# Altium PCB node-test-array__B4.PcbDoc (part 2 of 3) (continued)
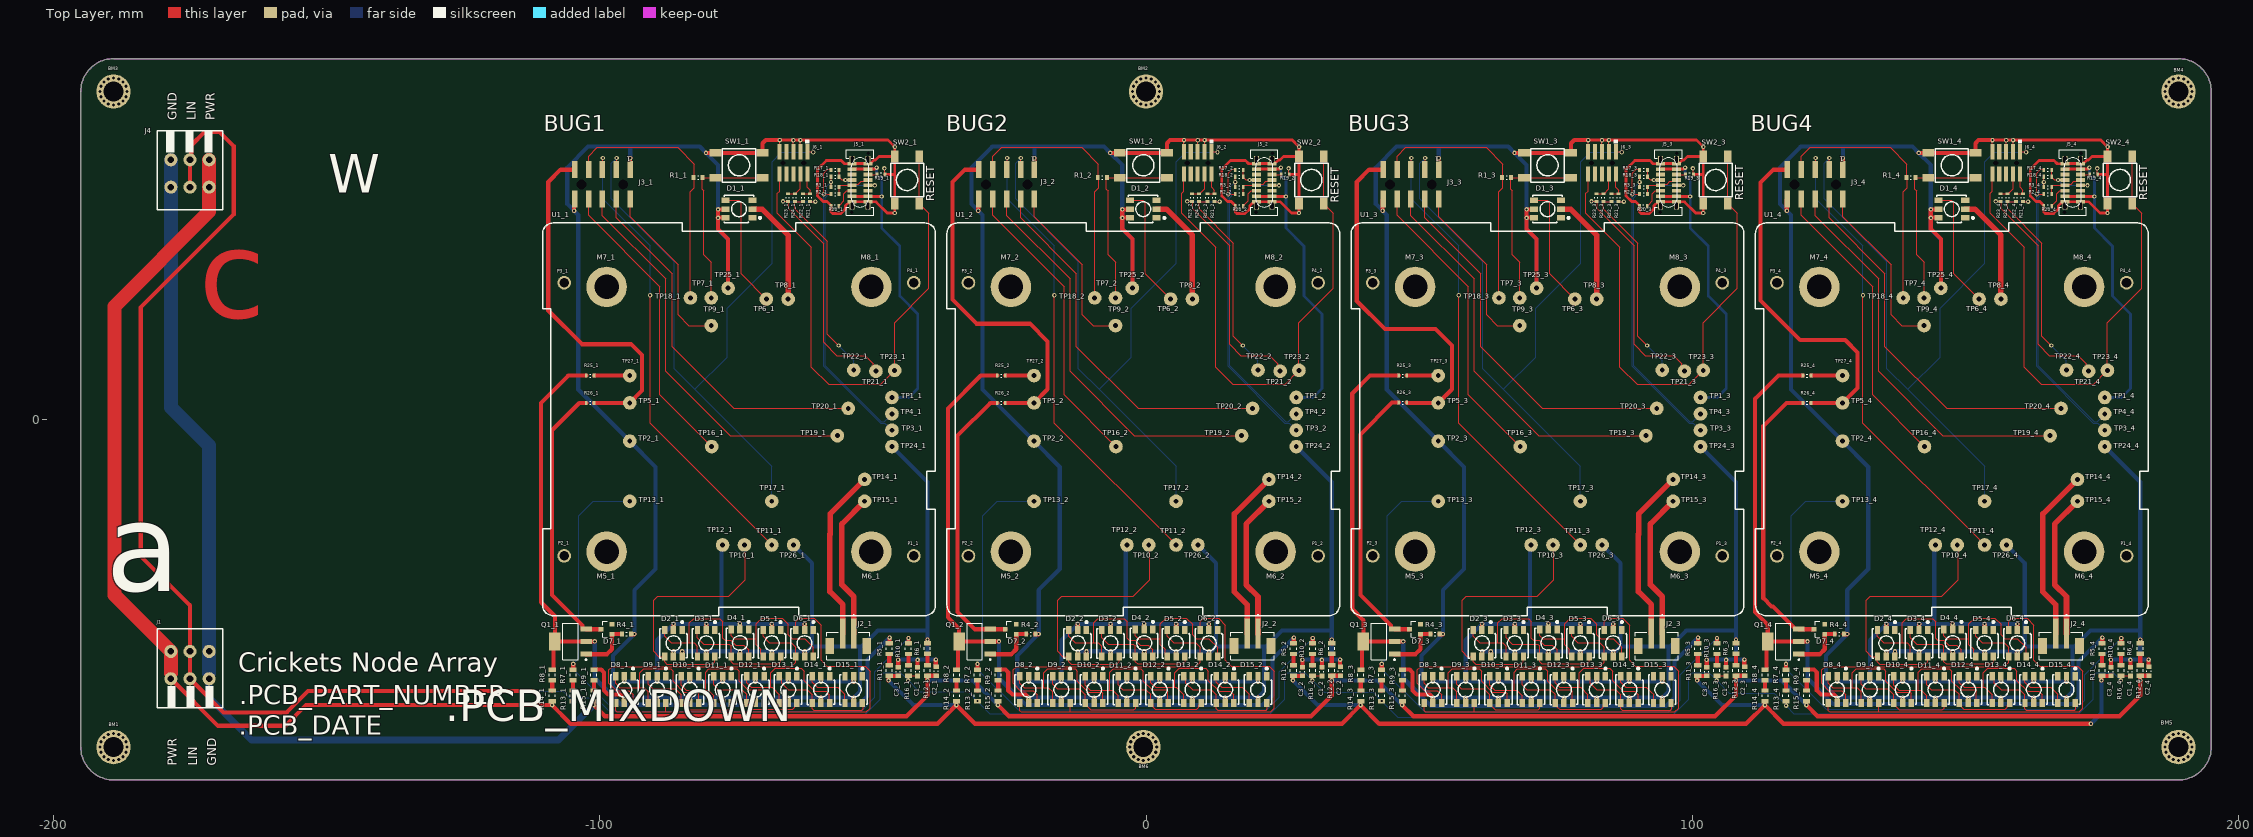
[diagram p0: Top Layer view]
## Nets (pads, with @x,y where several pads share a name; then routed paths per layer and width w, separated by ;. In a path a pad name is that pad's centre, name@x,y a point inside that pad or via, vN(x,y) a via of type N, cw(c..) or ccw(c..) an arc to the next point about the centre after c; other vN are vias at no path point) (continued)
  Bottom Layer w0.762: v1@-95.504,-50.934 -97.555,-48.883 -97.555,-43.221 v1(-93.641,-39.307) -93.641,-31.282 -89.791,-27.432 -89.791,-8.709 TP2_1.1@-94.5,-4 -103.926,5.426 -103.926,37.401 -105.932,39.408 -105.932,46.114 -102.135,49.911 -94.312,49.911 ; v1(-95.497,-50.927) v1(-89.528,-50.927) v1@-83.497,-50.927 ; v1(-94.414,47.803) -94.414,49.809 -94.312,49.911 ; v1(-86.463,-42.494) -86.454,-42.484 -84.918,-42.484 -84.902,-42.469 v1@-74.361,-42.469 ; v1(-83.483,-50.927) v1(-77.489,-50.927) v1(-71.469,-50.927) v1(-65.5,-50.927) v1(-59.506,-50.927) v1(-53.486,-50.927) ; TP25_1.1@-76.5,24 -76.5,32.924 -78.335,34.759 v1(-78.335,36.881) v1(-78.335,38.43) -78.335,46.558 v1(-80.545,48.768) -81.688,49.911 -94.312,49.911 ; v1(-74.322,-42.494) v1@-68.504,-42.494 ; v1(-68.48,-42.494) v1(-62.46,-42.494) -62.451,-42.484 -62.022,-42.484 -61.157,-41.618 ; TP26_1.1@-64.5,-23 -61.157,-26.343 -61.157,-41.618 ; v1@-53.476,-50.917 -52.371,-49.813 -52.371,-41.618 ; TP24_1.1@-46.5,-5 -40,-11.5 -40,-38.647 ; v1@-45.361,-43.942 v1@-41.805,-43.942 ; v1@-41.788,-43.959 -41.782,-43.952 -41.766,-43.967 -40,-43.967 ; v1@-38.452,-43.967 -40,-43.967 ; -61.157,-41.618 -52.063,-41.618 -49.092,-38.647 -40,-38.647 ; -40,-43.967 -40,-38.647
  other v1: -84.889,-42.494 -80.469,-42.494 -64.533,51.081
GND_2: C1_2.1 C2_2.1 C3_2.1 D1_2.5 D1_2.6 D2_2.5 D2_2.6 D3_2.5 D4_2.5 D5_2.5 D6_2.5 D8_2.5 D9_2.5 D10_2.5 D11_2.5 D12_2.5 D13_2.5 D14_2.5 D15_2.5 J3_2.1 J3_2.10 J5_2.A1 J5_2.A12 J5_2.B1 J5_2.B12 J6_2.3 J6_2.5 J6_2.9 R4_2.2 R6_2.2 R9_2.2 R19_2.1 R20_2.1 SW1_2.A SW2_2.A TP2_2.1 TP24_2.1 TP25_2.1 TP26_2.1 | length 480.8
  Top Layer w0.152: J6_2.9@6.92,48.962 6.92,50.969 v1@6.971,51.019 ; J6_2.5@9.46,48.962 9.46,50.969 v1@9.485,50.994 ; J6_2.3@10.73,48.962 v1@10.73,50.994 ; v1(26.122,45.939) 26.15,45.912 R19_2.1@26.15,45.025 ; v1(28.002,37.761) 28.015,37.774 28.015,37.9 v1@28.002,37.913
  Top Layer w0.508: v1(6.952,51.107) v1(10.737,51.107) 26.772,51.107 v1(28.027,49.851) 28.015,49.838 28.015,48.137 SW2_2.A@28.002,48.124 ; J5_2.B1@23.074,47.531 J5_2.B1@23.074,46.806 ; R19_2.1@26.212,44.822 28.002,44.822 ; v1(28.002,37.761) 26.63,37.761 24.585,39.806 J5_2.B12@23.074,39.806 J5_2.A1@20.214,39.806 19.714,39.806 19.01,39.102 19.01,38.548 18.147,37.684 16.627,37.684 16.33,37.982 16.33,39.122 15.607,39.845 14.92,39.845 13.88,40.885 13.88,45.762 15.48,47.362 18.223,47.362 18.807,46.778 20.186,46.778 J5_2.A12@20.214,46.806 J5_2.B1@23.074,46.806 ; v1@28.002,37.913 SW2_2.A@28.002,39.488 28.002,44.822 ; J5_2.B1@23.074,46.806 23.574,46.806 24.232,47.463 24.497,47.463 25.157,48.124 SW2_2.A@28.002,48.124 ; 28.002,44.822 SW2_2.A@28.002,48.124
  Top Layer w0.762: v1(-30.701,38.176) -30.701,40.189 J3_2.10@-30.58,40.31 ; R9_2.2@-27.06,-45.825 -25.714,-45.825 -25.209,-46.33 -25.209,-49.632 -24.447,-50.394 -22.045,-50.394 -21.511,-50.927 v1(-21.497,-50.927) ; D8_2.5@-21.5,-51.95 -21.499,-51.949 -21.499,-50.942 v1@-21.497,-50.94 ; J3_2.1@-20.42,45.69 -20.464,45.734 -20.464,47.752 v1(-20.414,47.803) ; R4_2.2@-20.266,-39.307 -20.266,-39.32 -20.235,-39.351 -19.685,-39.351 v1(-19.641,-39.307) ; v1@-15.528,-51.016 -15.519,-51.026 -15.519,-51.931 D9_2.5@-15.5,-51.95 ; D2_2.5@-12.5,-43.45 -12.473,-43.423 -12.473,-42.504 v1(-12.463,-42.494) ; D2_2.6@-10.9,-43.45 -10.894,-43.444 -10.894,-42.474 v1@-10.889,-42.469 ; D10_2.5@-9.5,-51.95 -9.492,-51.942 -9.492,-51.025 v1@-9.483,-51.016 ; v1(-6.545,48.768) -4.825,48.768 SW1_2.A@-4.818,48.761 SW1_2.A@3.818,48.761 3.818,50.534 4.391,51.107 v1(6.952,51.107) ; D3_2.5@-6.5,-43.45 -6.479,-43.429 -6.479,-42.479 v1@-6.469,-42.469 ; v1@-4.437,36.881 -4.361,36.957 v1@-4.335,36.957 ; D11_2.5@-3.5,-51.95 -3.494,-51.944 -3.494,-51.047 v1@-3.489,-51.042 ; D1_2.6@-2.95,36.875 -3.032,36.957 v1@-4.335,36.957 ; D1_2.5@-2.95,38.475 -2.995,38.43 v1(-4.335,38.43) v1@-4.335,36.957 ; TP25_2.1@-2.5,24 -2.5,32.988 -4.335,34.823 v1(-4.335,36.881) v1@-4.335,36.957 ; D4_2.5@-0.335,-43.4 -0.329,-43.394 -0.329,-42.45 v1@-0.322,-42.443 ; D12_2.5@2.5,-51.95 2.521,-51.929 2.521,-51.026 v1@2.531,-51.016 ; D5_2.5@5.5,-43.45 5.51,-43.44 5.51,-42.555 v1@5.52,-42.545 ; D13_2.5@8.5,-51.95 v1@8.5,-50.991 ; D6_2.5@11.5,-43.45 11.53,-43.42 11.53,-42.428 v1@11.54,-42.418 ; v1@14.494,-50.915 14.497,-50.918 14.497,-51.947 D14_2.5@14.5,-51.95 ; D15_2.5@20.5,-51.95 20.507,-51.943 20.507,-50.973 v1@20.514,-50.966 ; C3_2.1@28.639,-45.377 v1(28.639,-44.018) ; C1_2.1@32.195,-45.403 v1(32.195,-44.044) ; R6_2.2@34,-41 v1(34,-40.325) ; v1(35.522,-43.993) 35.505,-44.011 35.505,-45.282 35.549,-45.326 C2_2.1@35.599,-45.326
  Bottom Layer w0.762: v1@-21.504,-50.934 -23.555,-48.883 -23.555,-43.221 v1(-19.641,-39.307) -19.641,-31.282 -15.791,-27.432 -15.791,-8.709 TP2_2.1@-20.5,-4 -29.926,5.426 -29.926,37.401 -31.932,39.408 -31.932,46.114 -28.135,49.911 -20.312,49.911 ; v1(-21.497,-50.927) v1(-15.528,-50.927) v1@-9.497,-50.927 ; v1(-20.414,47.803) -20.414,49.809 -20.312,49.911 ; v1(-12.463,-42.494) -12.454,-42.484 -10.918,-42.484 -10.902,-42.469 v1@-0.361,-42.469 ; v1(-9.483,-50.927) v1(-3.489,-50.927) v1(2.531,-50.927) v1(8.5,-50.927) v1(14.494,-50.927) v1(20.514,-50.927) ; TP25_2.1@-2.5,24 -2.5,32.924 -4.335,34.759 v1(-4.335,36.881) v1(-4.335,38.43) -4.335,46.558 v1(-6.545,48.768) -7.688,49.911 -20.312,49.911 ; v1(-0.322,-42.494) v1@5.496,-42.494 ; v1(5.52,-42.494) v1(11.54,-42.494) 11.549,-42.484 11.978,-42.484 12.843,-41.618 ; TP26_2.1@9.5,-23 12.843,-26.343 12.843,-41.618 ; v1@20.524,-50.917 21.629,-49.813 21.629,-41.618 ; TP24_2.1@27.5,-5 34,-11.5 34,-38.647 ; v1@28.639,-43.942 v1@32.195,-43.942 ; v1@32.212,-43.959 32.218,-43.952 32.234,-43.967 34,-43.967 ; v1@35.548,-43.967 34,-43.967 ; 12.843,-41.618 21.937,-41.618 24.908,-38.647 34,-38.647 ; 34,-43.967 34,-38.647
  other v1: -10.889,-42.494 -6.469,-42.494 9.467,51.081
GND_3: C1_3.1 C2_3.1 C3_3.1 D1_3.5 D1_3.6 D2_3.5 D2_3.6 D3_3.5 D4_3.5 D5_3.5 D6_3.5 D8_3.5 D9_3.5 D10_3.5 D11_3.5 D12_3.5 D13_3.5 D14_3.5 D15_3.5 J3_3.1 J3_3.10 J5_3.A1 J5_3.A12 J5_3.B1 J5_3.B12 J6_3.3 J6_3.5 J6_3.9 R4_3.2 R6_3.2 R9_3.2 R19_3.1 R20_3.1 SW1_3.A SW2_3.A TP2_3.1 TP24_3.1 TP25_3.1 TP26_3.1 | length 480.8
  Top Layer w0.152: J6_3.9@80.92,48.962 80.92,50.969 v1@80.971,51.019 ; J6_3.5@83.46,48.962 83.46,50.969 v1@83.485,50.994 ; J6_3.3@84.73,48.962 v1@84.73,50.994 ; v1(100.122,45.939) 100.15,45.912 R19_3.1@100.15,45.025 ; v1(102.002,37.761) 102.015,37.774 102.015,37.9 v1@102.002,37.913
  Top Layer w0.508: v1(80.952,51.107) v1(84.737,51.107) 100.772,51.107 v1(102.027,49.851) 102.015,49.838 102.015,48.137 SW2_3.A@102.002,48.124 ; J5_3.B1@97.074,47.531 J5_3.B1@97.074,46.806 ; R19_3.1@100.212,44.822 102.002,44.822 ; v1(102.002,37.761) 100.63,37.761 98.585,39.806 J5_3.B12@97.074,39.806 J5_3.A1@94.214,39.806 93.714,39.806 93.01,39.102 93.01,38.548 92.147,37.684 90.627,37.684 90.33,37.982 90.33,39.122 89.607,39.845 88.92,39.845 87.88,40.885 87.88,45.762 89.48,47.362 92.223,47.362 92.807,46.778 94.186,46.778 J5_3.A12@94.214,46.806 J5_3.B1@97.074,46.806 ; v1@102.002,37.913 SW2_3.A@102.002,39.488 102.002,44.822 ; J5_3.B1@97.074,46.806 97.574,46.806 98.232,47.463 98.497,47.463 99.157,48.124 SW2_3.A@102.002,48.124 ; 102.002,44.822 SW2_3.A@102.002,48.124
  Top Layer w0.762: v1(43.299,38.176) 43.299,40.189 J3_3.10@43.42,40.31 ; R9_3.2@46.94,-45.825 48.286,-45.825 48.791,-46.33 48.791,-49.632 49.553,-50.394 51.955,-50.394 52.489,-50.927 v1(52.503,-50.927) ; D8_3.5@52.5,-51.95 52.501,-51.949 52.501,-50.942 v1@52.503,-50.94 ; J3_3.1@53.58,45.69 53.536,45.734 53.536,47.752 v1(53.586,47.803) ; R4_3.2@53.734,-39.307 53.734,-39.32 53.765,-39.351 54.315,-39.351 v1(54.359,-39.307) ; v1@58.472,-51.016 58.481,-51.026 58.481,-51.931 D9_3.5@58.5,-51.95 ; D2_3.5@61.5,-43.45 61.527,-43.423 61.527,-42.504 v1(61.537,-42.494) ; D2_3.6@63.1,-43.45 63.106,-43.444 63.106,-42.474 v1@63.111,-42.469 ; D10_3.5@64.5,-51.95 64.508,-51.942 64.508,-51.025 v1@64.517,-51.016 ; v1(67.455,48.768) 69.175,48.768 SW1_3.A@69.182,48.761 SW1_3.A@77.818,48.761 77.818,50.534 78.391,51.107 v1(80.952,51.107) ; D3_3.5@67.5,-43.45 67.521,-43.429 67.521,-42.479 v1@67.531,-42.469 ; v1@69.563,36.881 69.639,36.957 v1@69.665,36.957 ; D11_3.5@70.5,-51.95 70.506,-51.944 70.506,-51.047 v1@70.511,-51.042 ; D1_3.6@71.05,36.875 70.968,36.957 v1@69.665,36.957 ; D1_3.5@71.05,38.475 71.005,38.43 v1(69.665,38.43) v1@69.665,36.957 ; TP25_3.1@71.5,24 71.5,32.988 69.665,34.823 v1(69.665,36.881) v1@69.665,36.957 ; D4_3.5@73.665,-43.4 73.671,-43.394 73.671,-42.45 v1@73.678,-42.443 ; D12_3.5@76.5,-51.95 76.521,-51.929 76.521,-51.026 v1@76.531,-51.016 ; D5_3.5@79.5,-43.45 79.51,-43.44 79.51,-42.555 v1@79.52,-42.545 ; D13_3.5@82.5,-51.95 v1@82.5,-50.991 ; D6_3.5@85.5,-43.45 85.53,-43.42 85.53,-42.428 v1@85.54,-42.418 ; v1@88.494,-50.915 88.497,-50.918 88.497,-51.947 D14_3.5@88.5,-51.95 ; D15_3.5@94.5,-51.95 94.507,-51.943 94.507,-50.973 v1@94.514,-50.966 ; C3_3.1@102.639,-45.377 v1(102.639,-44.018) ; C1_3.1@106.195,-45.403 v1(106.195,-44.044) ; R6_3.2@108,-41 v1(108,-40.325) ; v1(109.522,-43.993) 109.505,-44.011 109.505,-45.282 109.549,-45.326 C2_3.1@109.599,-45.326
  Bottom Layer w0.762: v1@52.496,-50.934 50.445,-48.883 50.445,-43.221 v1(54.359,-39.307) 54.359,-31.282 58.209,-27.432 58.209,-8.709 TP2_3.1@53.5,-4 44.074,5.426 44.074,37.401 42.068,39.408 42.068,46.114 45.865,49.911 53.688,49.911 ; v1(52.503,-50.927) v1(58.472,-50.927) v1@64.503,-50.927 ; v1(53.586,47.803) 53.586,49.809 53.688,49.911 ; v1(61.537,-42.494) 61.546,-42.484 63.082,-42.484 63.098,-42.469 v1@73.639,-42.469 ; v1(64.517,-50.927) v1(70.511,-50.927) v1(76.531,-50.927) v1(82.5,-50.927) v1(88.494,-50.927) v1(94.514,-50.927) ; TP25_3.1@71.5,24 71.5,32.924 69.665,34.759 v1(69.665,36.881) v1(69.665,38.43) 69.665,46.558 v1(67.455,48.768) 66.312,49.911 53.688,49.911 ; v1(73.678,-42.494) v1@79.496,-42.494 ; v1(79.52,-42.494) v1(85.54,-42.494) 85.549,-42.484 85.978,-42.484 86.843,-41.618 ; TP26_3.1@83.5,-23 86.843,-26.343 86.843,-41.618 ; v1@94.524,-50.917 95.629,-49.813 95.629,-41.618 ; TP24_3.1@101.5,-5 108,-11.5 108,-38.647 ; v1@102.639,-43.942 v1@106.195,-43.942 ; v1@106.212,-43.959 106.218,-43.952 106.234,-43.967 108,-43.967 ; v1@109.548,-43.967 108,-43.967 ; 86.843,-41.618 95.937,-41.618 98.908,-38.647 108,-38.647 ; 108,-43.967 108,-38.647
  other v1: 63.111,-42.494 67.531,-42.494 83.467,51.081
GND_4: C1_4.1 C2_4.1 C3_4.1 D1_4.5 D1_4.6 D2_4.5 D2_4.6 D3_4.5 D4_4.5 D5_4.5 D6_4.5 D8_4.5 D9_4.5 D10_4.5 D11_4.5 D12_4.5 D13_4.5 D14_4.5 D15_4.5 J3_4.1 J3_4.10 J5_4.A1 J5_4.A12 J5_4.B1 J5_4.B12 J6_4.3 J6_4.5 J6_4.9 R4_4.2 R6_4.2 R9_4.2 R19_4.1 R20_4.1 SW1_4.A SW2_4.A TP2_4.1 TP24_4.1 TP25_4.1 TP26_4.1 | length 480.8
  Top Layer w0.152: J6_4.9@154.92,48.962 154.92,50.969 v1@154.971,51.019 ; J6_4.5@157.46,48.962 157.46,50.969 v1@157.485,50.994 ; J6_4.3@158.73,48.962 v1@158.73,50.994 ; v1(174.122,45.939) 174.15,45.912 R19_4.1@174.15,45.025 ; v1(176.002,37.761) 176.015,37.774 176.015,37.9 v1@176.002,37.913
  Top Layer w0.508: v1(154.952,51.107) v1(158.737,51.107) 174.772,51.107 v1(176.027,49.851) 176.015,49.838 176.015,48.137 SW2_4.A@176.002,48.124 ; J5_4.B1@171.074,47.531 J5_4.B1@171.074,46.806 ; R19_4.1@174.212,44.822 176.002,44.822 ; v1(176.002,37.761) 174.63,37.761 172.585,39.806 J5_4.B12@171.074,39.806 J5_4.A1@168.214,39.806 167.714,39.806 167.01,39.102 167.01,38.548 166.147,37.684 164.627,37.684 164.33,37.982 164.33,39.122 163.607,39.845 162.92,39.845 161.88,40.885 161.88,45.762 163.48,47.362 166.223,47.362 166.807,46.778 168.186,46.778 J5_4.A12@168.214,46.806 J5_4.B1@171.074,46.806 ; v1@176.002,37.913 SW2_4.A@176.002,39.488 176.002,44.822 ; J5_4.B1@171.074,46.806 171.574,46.806 172.232,47.463 172.497,47.463 173.157,48.124 SW2_4.A@176.002,48.124 ; 176.002,44.822 SW2_4.A@176.002,48.124
  Top Layer w0.762: v1(117.299,38.176) 117.299,40.189 J3_4.10@117.42,40.31 ; R9_4.2@120.94,-45.825 122.286,-45.825 122.791,-46.33 122.791,-49.632 123.553,-50.394 125.955,-50.394 126.489,-50.927 v1(126.503,-50.927) ; D8_4.5@126.5,-51.95 126.501,-51.949 126.501,-50.942 v1@126.503,-50.94 ; J3_4.1@127.58,45.69 127.536,45.734 127.536,47.752 v1(127.586,47.803) ; R4_4.2@127.734,-39.307 127.734,-39.32 127.765,-39.351 128.315,-39.351 v1(128.359,-39.307) ; v1@132.472,-51.016 132.481,-51.026 132.481,-51.931 D9_4.5@132.5,-51.95 ; D2_4.5@135.5,-43.45 135.527,-43.423 135.527,-42.504 v1(135.537,-42.494) ; D2_4.6@137.1,-43.45 137.106,-43.444 137.106,-42.474 v1@137.111,-42.469 ; D10_4.5@138.5,-51.95 138.508,-51.942 138.508,-51.025 v1@138.517,-51.016 ; v1(141.455,48.768) 143.175,48.768 SW1_4.A@143.182,48.761 SW1_4.A@151.818,48.761 151.818,50.534 152.391,51.107 v1(154.952,51.107) ; D3_4.5@141.5,-43.45 141.521,-43.429 141.521,-42.479 v1@141.531,-42.469 ; v1@143.563,36.881 143.639,36.957 v1@143.665,36.957 ; D11_4.5@144.5,-51.95 144.506,-51.944 144.506,-51.047 v1@144.511,-51.042 ; D1_4.6@145.05,36.875 144.968,36.957 v1@143.665,36.957 ; D1_4.5@145.05,38.475 145.005,38.43 v1(143.665,38.43) v1@143.665,36.957 ; TP25_4.1@145.5,24 145.5,32.988 143.665,34.823 v1(143.665,36.881) v1@143.665,36.957 ; D4_4.5@147.665,-43.4 147.671,-43.394 147.671,-42.45 v1@147.678,-42.443 ; D12_4.5@150.5,-51.95 150.521,-51.929 150.521,-51.026 v1@150.531,-51.016 ; D5_4.5@153.5,-43.45 153.51,-43.44 153.51,-42.555 v1@153.52,-42.545 ; D13_4.5@156.5,-51.95 v1@156.5,-50.991 ; D6_4.5@159.5,-43.45 159.53,-43.42 159.53,-42.428 v1@159.54,-42.418 ; v1@162.494,-50.915 162.497,-50.918 162.497,-51.947 D14_4.5@162.5,-51.95 ; D15_4.5@168.5,-51.95 168.507,-51.943 168.507,-50.973 v1@168.514,-50.966 ; C3_4.1@176.639,-45.377 v1(176.639,-44.018) ; C1_4.1@180.195,-45.403 v1(180.195,-44.044) ; R6_4.2@182,-41 v1(182,-40.325) ; v1(183.522,-43.993) 183.505,-44.011 183.505,-45.282 183.549,-45.326 C2_4.1@183.599,-45.326
  Bottom Layer w0.762: v1@126.496,-50.934 124.445,-48.883 124.445,-43.221 v1(128.359,-39.307) 128.359,-31.282 132.209,-27.432 132.209,-8.709 TP2_4.1@127.5,-4 118.074,5.426 118.074,37.401 116.068,39.408 116.068,46.114 119.865,49.911 127.688,49.911 ; v1(126.503,-50.927) v1(132.472,-50.927) v1@138.503,-50.927 ; v1(127.586,47.803) 127.586,49.809 127.688,49.911 ; v1(135.537,-42.494) 135.546,-42.484 137.082,-42.484 137.098,-42.469 v1@147.639,-42.469 ; v1(138.517,-50.927) v1(144.511,-50.927) v1(150.531,-50.927) v1(156.5,-50.927) v1(162.494,-50.927) v1(168.514,-50.927) ; TP25_4.1@145.5,24 145.5,32.924 143.665,34.759 v1(143.665,36.881) v1(143.665,38.43) 143.665,46.558 v1(141.455,48.768) 140.312,49.911 127.688,49.911 ; v1(147.678,-42.494) v1@153.496,-42.494 ; v1(153.52,-42.494) v1(159.54,-42.494) 159.549,-42.484 159.978,-42.484 160.843,-41.618 ; TP26_4.1@157.5,-23 160.843,-26.343 160.843,-41.618 ; v1@168.524,-50.917 169.629,-49.813 169.629,-41.618 ; TP24_4.1@175.5,-5 182,-11.5 182,-38.647 ; v1@176.639,-43.942 v1@180.195,-43.942 ; v1@180.212,-43.959 180.218,-43.952 180.234,-43.967 182,-43.967 ; v1@183.548,-43.967 182,-43.967 ; 160.843,-41.618 169.937,-41.618 172.908,-38.647 182,-38.647 ; 182,-43.967 182,-38.647
  other v1: 137.111,-42.494 141.531,-42.494 157.467,51.081
LIN-IO_1: R7_1.2 R10_1.2 TP13_1.1 | length 113.9
  Top Layer w0.762: R7_1.2@-104.87,-45.825 -104.864,-45.825 -104.845,-45.806 v1(-104.845,-44.768) ; R10_1.2@-43.5,-41.025 -43.488,-41.013 -43.488,-40.053 v1(-43.478,-40.044)
  Bottom Layer w0.203: TP13_1.1@-94.5,-15 -101.188,-15 -103.849,-17.662 -103.849,-43.773 v1(-104.845,-44.768) -104.845,-45.723 -97.126,-53.442 -52.168,-53.442 -49.632,-50.905 -49.632,-46.197 v1(-43.478,-40.044)
LIN-IO_2: R7_2.2 R10_2.2 TP13_2.1 | length 113.6
  Top Layer w0.762: R7_2.2@-30.87,-45.825 -30.864,-45.825 -30.845,-45.806 v1(-30.845,-44.768) ; R10_2.2@30.5,-41.025 30.512,-41.013 30.512,-40.053 v1(30.522,-40.044)
  Bottom Layer w0.203: TP13_2.1@-20.5,-15 -27.188,-15 -29.849,-17.662 -29.849,-43.773 v1(-30.845,-44.768) -30.845,-45.723 -23.406,-53.162 22.111,-53.162 24.384,-50.889 24.384,-46.181 v1(30.522,-40.044)
LIN-IO_3: R7_3.2 R10_3.2 TP13_3.1 | length 114
  Top Layer w0.762: R7_3.2@43.13,-45.825 43.136,-45.825 43.155,-45.806 v1(43.155,-44.768) ; R10_3.2@104.5,-41.025 104.512,-41.013 104.512,-40.053 v1(104.522,-40.044)
  Bottom Layer w0.203: TP13_3.1@53.5,-15 46.812,-15 44.151,-17.662 44.151,-43.773 v1(43.155,-44.768) 43.155,-45.723 51.001,-53.569 95.705,-53.569 97.821,-51.453 97.821,-46.745 v1(104.522,-40.044)
LIN-IO_4: R7_4.2 R10_4.2 TP13_4.1 | length 113.5
  Top Layer w0.762: R7_4.2@117.13,-45.825 117.136,-45.825 117.155,-45.806 v1(117.155,-44.768) ; R10_4.2@178.5,-41.025 178.512,-41.013 178.512,-40.053 v1(178.522,-40.044)
  Bottom Layer w0.203: TP13_4.1@127.5,-15 120.812,-15 118.151,-17.662 118.151,-43.773 v1(117.155,-44.768) 117.155,-45.723 124.493,-53.061 170.213,-53.061 171.821,-51.453 171.821,-46.745 v1(178.522,-40.044)
NetD2_1_3: D2_1.3 D3_1.4 D4_1.6 | length 30
  Top Layer w0.152: D2_1.3@-88.1,-38.55 -88.1,-39.745 -86.938,-40.907 -83.585,-40.907 ; D3_1.4@-82.1,-43.45 -82.1,-41.503 -82.696,-40.907 -83.585,-40.907 ; D4_1.6@-72.735,-43.4 -72.735,-42.232 -73.599,-41.368 -75.067,-41.368 -75.985,-40.45 -77.057,-40.45 -77.438,-40.069 -77.438,-37.032 -77.982,-36.488 -82.823,-36.488 -83.585,-37.25 -83.585,-40.907
NetD2_2_3: D2_2.3 D3_2.4 D4_2.6 | length 30
  Top Layer w0.152: D2_2.3@-14.1,-38.55 -14.1,-39.745 -12.938,-40.907 -9.585,-40.907 ; D3_2.4@-8.1,-43.45 -8.1,-41.503 -8.696,-40.907 -9.585,-40.907 ; D4_2.6@1.265,-43.4 1.265,-42.232 0.401,-41.368 -1.067,-41.368 -1.985,-40.45 -3.057,-40.45 -3.438,-40.069 -3.438,-37.032 -3.982,-36.488 -8.823,-36.488 -9.585,-37.25 -9.585,-40.907
NetD2_3_3: D2_3.3 D3_3.4 D4_3.6 | length 30
  Top Layer w0.152: D2_3.3@59.9,-38.55 59.9,-39.745 61.062,-40.907 64.415,-40.907 ; D3_3.4@65.9,-43.45 65.9,-41.503 65.304,-40.907 64.415,-40.907 ; D4_3.6@75.265,-43.4 75.265,-42.232 74.401,-41.368 72.933,-41.368 72.015,-40.45 70.943,-40.45 70.562,-40.069 70.562,-37.032 70.018,-36.488 65.177,-36.488 64.415,-37.25 64.415,-40.907
NetD2_4_3: D2_4.3 D3_4.4 D4_4.6 | length 30
  Top Layer w0.152: D2_4.3@133.9,-38.55 133.9,-39.745 135.062,-40.907 138.415,-40.907 ; D3_4.4@139.9,-43.45 139.9,-41.503 139.304,-40.907 138.415,-40.907 ; D4_4.6@149.265,-43.4 149.265,-42.232 148.401,-41.368 146.933,-41.368 146.015,-40.45 144.943,-40.45 144.562,-40.069 144.562,-37.032 144.018,-36.488 139.177,-36.488 138.415,-37.25 138.415,-40.907
NetD3_1_3: D3_1.3 D4_1.4 D5_1.6 | length 21.5
  Top Layer w0.152: D3_1.3@-82.1,-38.55 -82.1,-39.974 -80.938,-41.136 -76.295,-41.136 -75.935,-41.496 D4_1.4@-75.935,-43.4 -75.935,-44.387 -75.554,-44.768 -67.203,-44.768 -66.821,-44.386 -66.821,-43.529 D5_1.6@-66.9,-43.45
NetD3_2_3: D3_2.3 D4_2.4 D5_2.6 | length 21.5
  Top Layer w0.152: D3_2.3@-8.1,-38.55 -8.1,-39.974 -6.938,-41.136 -2.295,-41.136 -1.935,-41.496 D4_2.4@-1.935,-43.4 -1.935,-44.387 -1.554,-44.768 6.797,-44.768 7.179,-44.386 7.179,-43.529 D5_2.6@7.1,-43.45
NetD3_3_3: D3_3.3 D4_3.4 D5_3.6 | length 21.5
  Top Layer w0.152: D3_3.3@65.9,-38.55 65.9,-39.974 67.062,-41.136 71.705,-41.136 72.065,-41.496 D4_3.4@72.065,-43.4 72.065,-44.387 72.446,-44.768 80.797,-44.768 81.179,-44.386 81.179,-43.529 D5_3.6@81.1,-43.45
NetD3_4_3: D3_4.3 D4_4.4 D5_4.6 | length 21.5
  Top Layer w0.152: D3_4.3@139.9,-38.55 139.9,-39.974 141.062,-41.136 145.705,-41.136 146.065,-41.496 D4_4.4@146.065,-43.4 146.065,-44.387 146.446,-44.768 154.797,-44.768 155.179,-44.386 155.179,-43.529 D5_4.6@155.1,-43.45
NetD4_1_3: D4_1.3 D5_1.4 D6_1.6 | length 28.9
  Top Layer w0.152: D4_1.3@-75.935,-38.5 -75.935,-39.662 -75.44,-40.157 -71.35,-40.157 ; D5_1.4@-70.1,-43.7 D5_1.4@-70.1,-43.45 -70.498,-43.052 -70.498,-42.136 -71.35,-41.284 -71.35,-40.157 ; D6_1.6@-60.9,-43.7 D6_1.6@-60.9,-43.45 -60.9,-41.773 -62.503,-40.171 -64.784,-40.171 -65.475,-39.48 -65.475,-37.529 -66.618,-36.386 -70.326,-36.386 -71.35,-37.41 -71.35,-40.157
NetD4_2_3: D4_2.3 D5_2.4 D6_2.6 | length 28.9
  Top Layer w0.152: D4_2.3@-1.935,-38.5 -1.935,-39.662 -1.44,-40.157 2.65,-40.157 ; D5_2.4@3.9,-43.7 D5_2.4@3.9,-43.45 3.502,-43.052 3.502,-42.136 2.65,-41.284 2.65,-40.157 ; D6_2.6@13.1,-43.7 D6_2.6@13.1,-43.45 13.1,-41.773 11.497,-40.171 9.216,-40.171 8.525,-39.48 8.525,-37.529 7.382,-36.386 3.674,-36.386 2.65,-37.41 2.65,-40.157
NetD4_3_3: D4_3.3 D5_3.4 D6_3.6 | length 28.9
  Top Layer w0.152: D4_3.3@72.065,-38.5 72.065,-39.662 72.56,-40.157 76.65,-40.157 ; D5_3.4@77.9,-43.7 D5_3.4@77.9,-43.45 77.502,-43.052 77.502,-42.136 76.65,-41.284 76.65,-40.157 ; D6_3.6@87.1,-43.7 D6_3.6@87.1,-43.45 87.1,-41.773 85.497,-40.171 83.216,-40.171 82.525,-39.48 82.525,-37.529 81.382,-36.386 77.674,-36.386 76.65,-37.41 76.65,-40.157
NetD4_4_3: D4_4.3 D5_4.4 D6_4.6 | length 28.9
  Top Layer w0.152: D4_4.3@146.065,-38.5 146.065,-39.662 146.56,-40.157 150.65,-40.157 ; D5_4.4@151.9,-43.7 D5_4.4@151.9,-43.45 151.502,-43.052 151.502,-42.136 150.65,-41.284 150.65,-40.157 ; D6_4.6@161.1,-43.7 D6_4.6@161.1,-43.45 161.1,-41.773 159.497,-40.171 157.216,-40.171 156.525,-39.48 156.525,-37.529 155.382,-36.386 151.674,-36.386 150.65,-37.41 150.65,-40.157
NetD5_1_3: D5_1.3 D6_1.4 D8_1.6 | length 54.8
  Top Layer w0.152: D8_1.6@-93.9,-51.95 -93.9,-50.404 -94.647,-49.657 -96.993,-49.657 -98.317,-48.333 -98.317,-45.889 -97.697,-45.27 -64.931,-45.27 -64.1,-44.439 D6_1.4@-64.1,-43.45 -64.1,-41.723 -64.916,-40.907 -68.95,-40.907 -70.1,-39.757 D5_1.3@-70.1,-38.55
NetD5_2_3: D5_2.3 D6_2.4 D8_2.6 | length 54.8
  Top Layer w0.152: D8_2.6@-19.9,-51.95 -19.9,-50.404 -20.647,-49.657 -22.993,-49.657 -24.317,-48.333 -24.317,-45.889 -23.697,-45.27 9.069,-45.27 9.9,-44.439 D6_2.4@9.9,-43.45 9.9,-41.723 9.084,-40.907 5.05,-40.907 3.9,-39.757 D5_2.3@3.9,-38.55
NetD5_3_3: D5_3.3 D6_3.4 D8_3.6 | length 54.8
  Top Layer w0.152: D8_3.6@54.1,-51.95 54.1,-50.404 53.353,-49.657 51.007,-49.657 49.683,-48.333 49.683,-45.889 50.303,-45.27 83.069,-45.27 83.9,-44.439 D6_3.4@83.9,-43.45 83.9,-41.723 83.084,-40.907 79.05,-40.907 77.9,-39.757 D5_3.3@77.9,-38.55
NetD5_4_3: D5_4.3 D6_4.4 D8_4.6 | length 54.8
  Top Layer w0.152: D8_4.6@128.1,-51.95 128.1,-50.404 127.353,-49.657 125.007,-49.657 123.683,-48.333 123.683,-45.889 124.303,-45.27 157.069,-45.27 157.9,-44.439 D6_4.4@157.9,-43.45 157.9,-41.723 157.084,-40.907 153.05,-40.907 151.9,-39.757 D5_4.3@151.9,-38.55
NetD6_1_3: D6_1.3 D8_1.4 D9_1.6 | length 80.1
  Top Layer w0.152: D8_1.4@-97.1,-51.7 D8_1.4@-97.1,-51.95 -97.1,-53.325 -96.844,-53.582 -87.9,-53.582 ; D9_1.6@-87.9,-51.95 -87.9,-53.582 ; D6_1.3@-64.1,-38.55 -64.1,-37.094 -63.468,-36.462 -60.72,-36.462 -59.463,-37.719 -59.463,-44.15 -58.401,-45.212 -51.411,-45.212 -50.502,-46.122 -50.502,-52.884 -51.2,-53.582 -87.9,-53.582
NetD6_2_3: D6_2.3 D8_2.4 D9_2.6 | length 80.1
  Top Layer w0.152: D8_2.4@-23.1,-51.7 D8_2.4@-23.1,-51.95 -23.1,-53.325 -22.844,-53.582 -13.9,-53.582 ; D9_2.6@-13.9,-51.95 -13.9,-53.582 ; D6_2.3@9.9,-38.55 9.9,-37.094 10.532,-36.462 13.28,-36.462 14.537,-37.719 14.537,-44.15 15.599,-45.212 22.589,-45.212 23.498,-46.122 23.498,-52.884 22.8,-53.582 -13.9,-53.582